# KiCad board panel_4_3.kicad_pcb
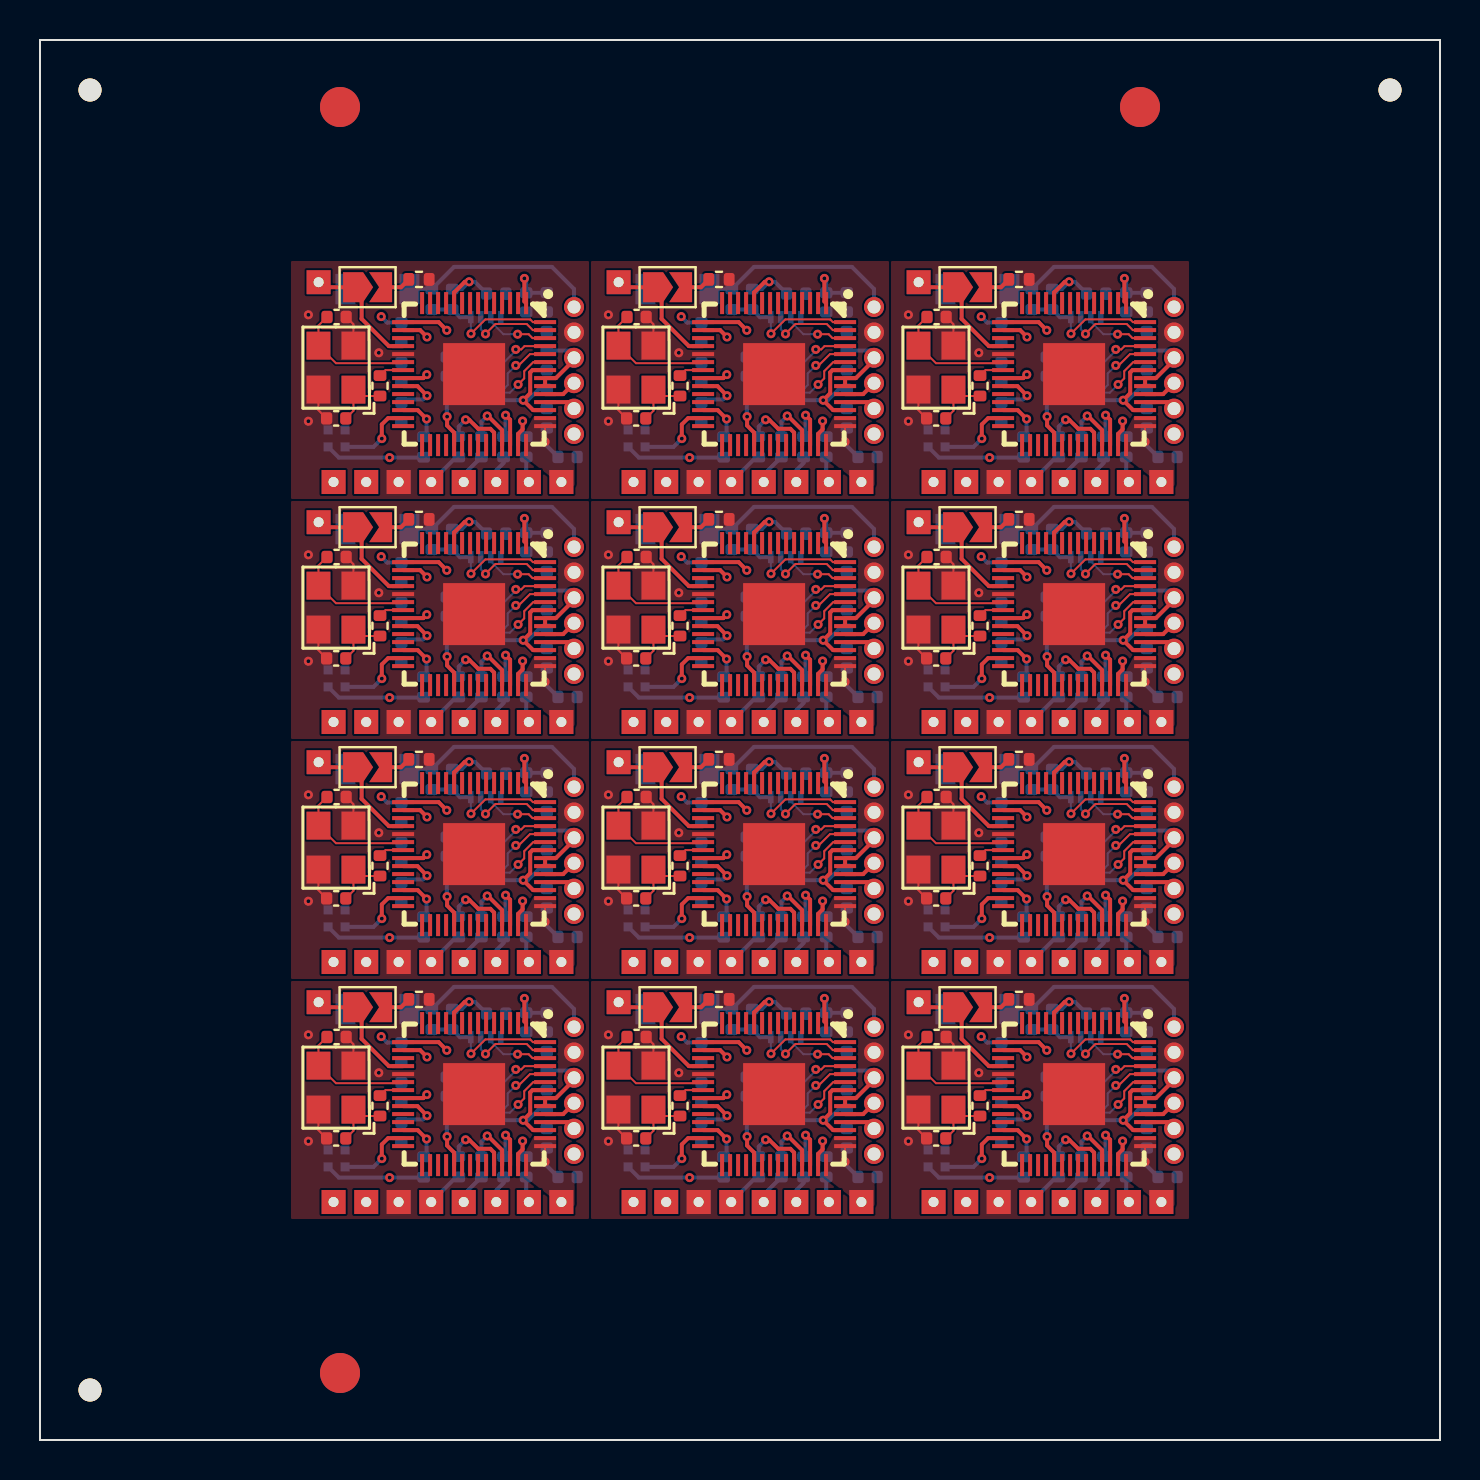
[diagram p0: board, top side]
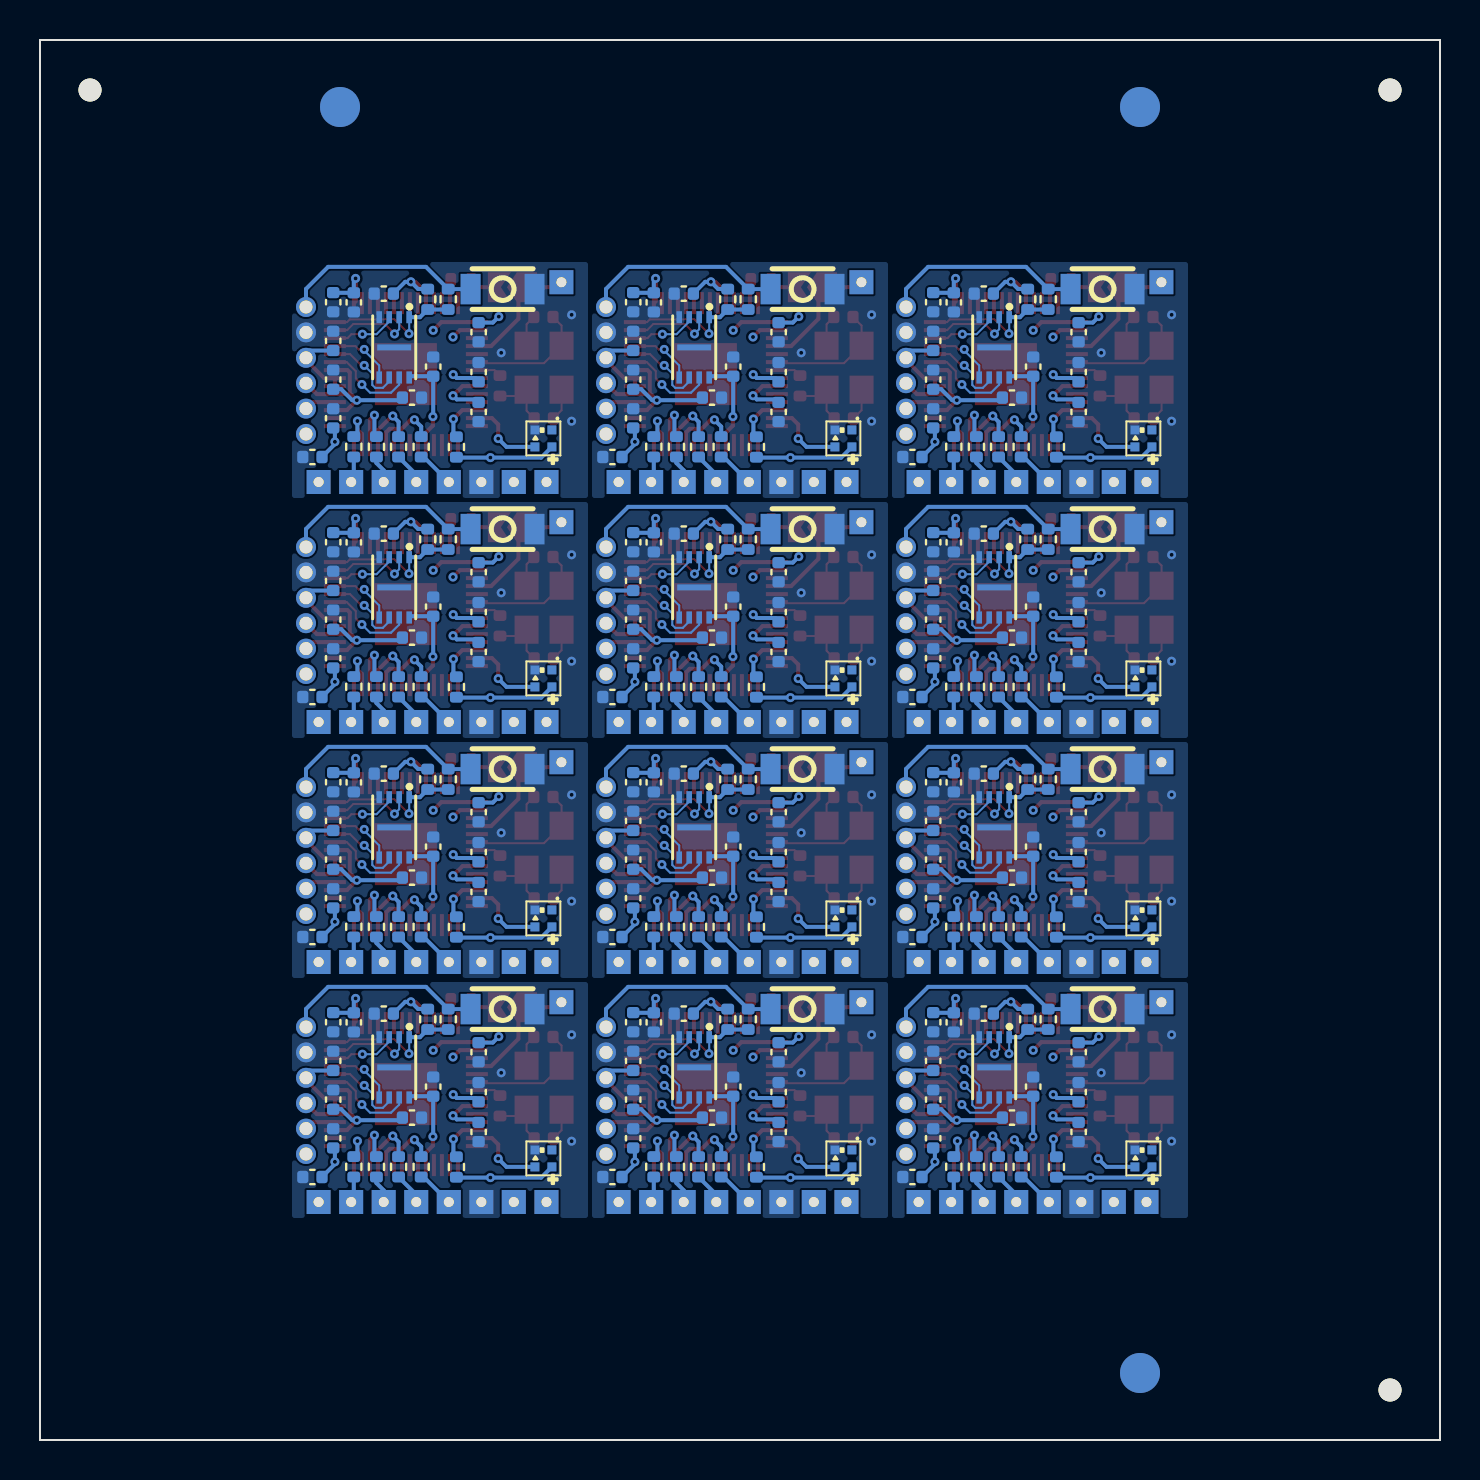
[diagram p1: board, bottom side, seen from below]

Outline 70 x 70 mm; copper layers: Top, In1.Cu, In2.Cu, Bottom. Coordinates in mm from the lower left corner of the outline.
Outline path: 0,70 0,0 70,0 70,70 0,70
Stack: Top 0.035mm / dielectric 0.48mm FR4 er 4.5 / In1.Cu 0.035mm / dielectric 0.48mm FR4 er 4.5 / In2.Cu 0.035mm / dielectric 0.48mm FR4 er 4.5 / Bottom 0.035mm

## Placement (name value [footprint] x y rotation side)
C1  27pF,50V,C0G  [C_0402_1005Metric]  44.81 39.08 0 top
C1#2  27pF,50V,C0G  [C_0402_1005Metric]  14.81 27.08 0 top
C1#3  27pF,50V,C0G  [C_0402_1005Metric]  44.81 27.08 0 top
C1#4  27pF,50V,C0G  [C_0402_1005Metric]  14.81 15.08 0 top
C1#5  27pF,50V,C0G  [C_0402_1005Metric]  29.81 15.08 0 top
C1#6  27pF,50V,C0G  [C_0402_1005Metric]  29.81 51.08 0 top
C1#7  27pF,50V,C0G  [C_0402_1005Metric]  29.81 27.08 0 top
C1#8  27pF,50V,C0G  [C_0402_1005Metric]  44.81 15.08 0 top
C1#9  27pF,50V,C0G  [C_0402_1005Metric]  14.81 51.08 0 top
C1#10  27pF,50V,C0G  [C_0402_1005Metric]  29.81 39.08 0 top
C1#11  27pF,50V,C0G  [C_0402_1005Metric]  14.81 39.08 0 top
C1#12  27pF,50V,C0G  [C_0402_1005Metric]  44.81 51.08 0 top
C2  100nF,16V,X7R  [C_0402_1005Metric]  36.4 28.12 180 bottom
C2#2  100nF,16V,X7R  [C_0402_1005Metric]  21.4 16.12 180 bottom
C2#3  100nF,16V,X7R  [C_0402_1005Metric]  21.4 40.12 180 bottom
C2#4  100nF,16V,X7R  [C_0402_1005Metric]  51.4 28.12 180 bottom
C2#5  100nF,16V,X7R  [C_0402_1005Metric]  36.4 40.12 180 bottom
C2#6  100nF,16V,X7R  [C_0402_1005Metric]  51.4 52.12 180 bottom
C2#7  100nF,16V,X7R  [C_0402_1005Metric]  21.4 28.12 180 bottom
C2#8  100nF,16V,X7R  [C_0402_1005Metric]  36.4 16.12 180 bottom
C2#9  100nF,16V,X7R  [C_0402_1005Metric]  21.4 52.12 180 bottom
C2#10  100nF,16V,X7R  [C_0402_1005Metric]  36.4 52.12 180 bottom
C2#11  100nF,16V,X7R  [C_0402_1005Metric]  51.4 40.12 180 bottom
C2#12  100nF,16V,X7R  [C_0402_1005Metric]  51.4 16.12 180 bottom
C3  27pF,50V,C0G  [C_0402_1005Metric]  44.83 32.15 0 top
C3#2  27pF,50V,C0G  [C_0402_1005Metric]  14.83 44.15 0 top
C3#3  27pF,50V,C0G  [C_0402_1005Metric]  29.83 20.15 0 top
C3#4  27pF,50V,C0G  [C_0402_1005Metric]  44.83 20.15 0 top
C3#5  27pF,50V,C0G  [C_0402_1005Metric]  44.83 44.15 0 top
C3#6  27pF,50V,C0G  [C_0402_1005Metric]  29.83 44.15 0 top
C3#7  27pF,50V,C0G  [C_0402_1005Metric]  14.83 20.15 0 top
C3#8  27pF,50V,C0G  [C_0402_1005Metric]  29.83 56.15 0 top
C3#9  27pF,50V,C0G  [C_0402_1005Metric]  29.83 32.15 0 top
C3#10  27pF,50V,C0G  [C_0402_1005Metric]  44.83 56.15 0 top
C3#11  27pF,50V,C0G  [C_0402_1005Metric]  14.83 32.15 0 top
C3#12  27pF,50V,C0G  [C_0402_1005Metric]  14.83 56.15 0 top
C4  100nF,16V,X7R  [C_0402_1005Metric]  33.07 27.4 270 bottom
C4#2  100nF,16V,X7R  [C_0402_1005Metric]  33.07 39.4 270 bottom
C4#3  100nF,16V,X7R  [C_0402_1005Metric]  18.07 39.4 270 bottom
C4#4  100nF,16V,X7R  [C_0402_1005Metric]  18.07 51.4 270 bottom
C4#5  100nF,16V,X7R  [C_0402_1005Metric]  33.07 51.4 270 bottom
C4#6  100nF,16V,X7R  [C_0402_1005Metric]  48.07 51.4 270 bottom
C4#7  100nF,16V,X7R  [C_0402_1005Metric]  48.07 15.4 270 bottom
C4#8  100nF,16V,X7R  [C_0402_1005Metric]  48.07 39.4 270 bottom
C4#9  100nF,16V,X7R  [C_0402_1005Metric]  48.07 27.4 270 bottom
C4#10  100nF,16V,X7R  [C_0402_1005Metric]  33.07 15.4 270 bottom
C4#11  100nF,16V,X7R  [C_0402_1005Metric]  18.07 15.4 270 bottom
C4#12  100nF,16V,X7R  [C_0402_1005Metric]  18.07 27.4 270 bottom
C5  1uF,25V,X5R  [C_0402_1005Metric]  55.34 41.02 90 bottom
C5#2  1uF,25V,X5R  [C_0402_1005Metric]  40.34 53.02 90 bottom
C5#3  1uF,25V,X5R  [C_0402_1005Metric]  55.34 29.02 90 bottom
C5#4  1uF,25V,X5R  [C_0402_1005Metric]  40.34 29.02 90 bottom
C5#5  1uF,25V,X5R  [C_0402_1005Metric]  25.34 53.02 90 bottom
C5#6  1uF,25V,X5R  [C_0402_1005Metric]  55.34 53.02 90 bottom
C5#7  1uF,25V,X5R  [C_0402_1005Metric]  55.34 17.02 90 bottom
C5#8  1uF,25V,X5R  [C_0402_1005Metric]  40.34 17.02 90 bottom
C5#9  1uF,25V,X5R  [C_0402_1005Metric]  40.34 41.02 90 bottom
C5#10  1uF,25V,X5R  [C_0402_1005Metric]  25.34 41.02 90 bottom
C5#11  1uF,25V,X5R  [C_0402_1005Metric]  25.34 17.02 90 bottom
C5#12  1uF,25V,X5R  [C_0402_1005Metric]  25.34 29.02 90 bottom
C6  1uF,25V,X5R  [C_0402_1005Metric]  56.38 13.15 180 bottom
C6#2  1uF,25V,X5R  [C_0402_1005Metric]  56.38 49.15 180 bottom
C6#3  1uF,25V,X5R  [C_0402_1005Metric]  26.38 49.15 180 bottom
C6#4  1uF,25V,X5R  [C_0402_1005Metric]  41.38 13.15 180 bottom
C6#5  1uF,25V,X5R  [C_0402_1005Metric]  41.38 25.15 180 bottom
C6#6  1uF,25V,X5R  [C_0402_1005Metric]  41.38 37.15 180 bottom
C6#7  1uF,25V,X5R  [C_0402_1005Metric]  56.38 37.15 180 bottom
C6#8  1uF,25V,X5R  [C_0402_1005Metric]  26.38 13.15 180 bottom
C6#9  1uF,25V,X5R  [C_0402_1005Metric]  56.38 25.15 180 bottom
C6#10  1uF,25V,X5R  [C_0402_1005Metric]  26.38 25.15 180 bottom
C6#11  1uF,25V,X5R  [C_0402_1005Metric]  26.38 37.15 180 bottom
C6#12  1uF,25V,X5R  [C_0402_1005Metric]  41.38 49.15 180 bottom
C7  100nF,16V,X7R  [C_0402_1005Metric]  48.07 29.4 90 bottom
C7#2  100nF,16V,X7R  [C_0402_1005Metric]  33.07 53.4 90 bottom
C7#3  100nF,16V,X7R  [C_0402_1005Metric]  33.07 41.4 90 bottom
C7#4  100nF,16V,X7R  [C_0402_1005Metric]  18.07 53.4 90 bottom
C7#5  100nF,16V,X7R  [C_0402_1005Metric]  48.07 41.4 90 bottom
C7#6  100nF,16V,X7R  [C_0402_1005Metric]  48.07 17.39 90 bottom
C7#7  100nF,16V,X7R  [C_0402_1005Metric]  33.07 17.39 90 bottom
C7#8  100nF,16V,X7R  [C_0402_1005Metric]  18.07 41.4 90 bottom
C7#9  100nF,16V,X7R  [C_0402_1005Metric]  33.07 29.4 90 bottom
C7#10  100nF,16V,X7R  [C_0402_1005Metric]  48.07 53.4 90 bottom
C7#11  100nF,16V,X7R  [C_0402_1005Metric]  18.07 29.4 90 bottom
C7#12  100nF,16V,X7R  [C_0402_1005Metric]  18.07 17.39 90 bottom
C8  100nF,16V,X7R  [C_0402_1005Metric]  55.34 39.09 90 bottom
C8#2  100nF,16V,X7R  [C_0402_1005Metric]  55.34 15.08 90 bottom
C8#3  100nF,16V,X7R  [C_0402_1005Metric]  55.34 27.09 90 bottom
C8#4  100nF,16V,X7R  [C_0402_1005Metric]  25.34 15.08 90 bottom
C8#5  100nF,16V,X7R  [C_0402_1005Metric]  55.34 51.09 90 bottom
C8#6  100nF,16V,X7R  [C_0402_1005Metric]  40.34 39.09 90 bottom
C8#7  100nF,16V,X7R  [C_0402_1005Metric]  25.34 27.09 90 bottom
C8#8  100nF,16V,X7R  [C_0402_1005Metric]  40.34 15.08 90 bottom
C8#9  100nF,16V,X7R  [C_0402_1005Metric]  40.34 27.09 90 bottom
C8#10  100nF,16V,X7R  [C_0402_1005Metric]  25.34 51.09 90 bottom
C8#11  100nF,16V,X7R  [C_0402_1005Metric]  25.34 39.09 90 bottom
C8#12  100nF,16V,X7R  [C_0402_1005Metric]  40.34 51.09 90 bottom
C9  100nF,16V,X7R  [C_0402_1005Metric]  54.31 56.88 270 bottom
C9#2  100nF,16V,X7R  [C_0402_1005Metric]  24.31 20.88 270 bottom
C9#3  100nF,16V,X7R  [C_0402_1005Metric]  24.31 32.88 270 bottom
C9#4  100nF,16V,X7R  [C_0402_1005Metric]  39.31 56.88 270 bottom
C9#5  100nF,16V,X7R  [C_0402_1005Metric]  54.31 44.88 270 bottom
C9#6  100nF,16V,X7R  [C_0402_1005Metric]  39.31 32.88 270 bottom
C9#7  100nF,16V,X7R  [C_0402_1005Metric]  39.31 20.88 270 bottom
C9#8  100nF,16V,X7R  [C_0402_1005Metric]  24.31 44.88 270 bottom
C9#9  100nF,16V,X7R  [C_0402_1005Metric]  24.31 56.88 270 bottom
C9#10  100nF,16V,X7R  [C_0402_1005Metric]  54.31 20.88 270 bottom
C9#11  100nF,16V,X7R  [C_0402_1005Metric]  39.31 44.88 270 bottom
C9#12  100nF,16V,X7R  [C_0402_1005Metric]  54.31 32.88 270 bottom
C10  100nF,16V,X7R  [C_0402_1005Metric]  40.34 30.95 90 bottom
C10#2  100nF,16V,X7R  [C_0402_1005Metric]  25.34 42.95 90 bottom
C10#3  100nF,16V,X7R  [C_0402_1005Metric]  40.34 54.95 90 bottom
C10#4  100nF,16V,X7R  [C_0402_1005Metric]  55.34 42.95 90 bottom
C10#5  100nF,16V,X7R  [C_0402_1005Metric]  55.34 54.95 90 bottom
C10#6  100nF,16V,X7R  [C_0402_1005Metric]  55.34 30.95 90 bottom
C10#7  100nF,16V,X7R  [C_0402_1005Metric]  25.34 18.95 90 bottom
C10#8  100nF,16V,X7R  [C_0402_1005Metric]  25.34 30.95 90 bottom
C10#9  100nF,16V,X7R  [C_0402_1005Metric]  40.34 18.95 90 bottom
C10#10  100nF,16V,X7R  [C_0402_1005Metric]  55.34 18.95 90 bottom
C10#11  100nF,16V,X7R  [C_0402_1005Metric]  40.34 42.95 90 bottom
C10#12  100nF,16V,X7R  [C_0402_1005Metric]  25.34 54.95 90 bottom
C11  100nF,16V,X7R  [C_0402_1005Metric]  55.34 44.89 270 bottom
C11#2  100nF,16V,X7R  [C_0402_1005Metric]  55.34 20.89 270 bottom
C11#3  100nF,16V,X7R  [C_0402_1005Metric]  25.34 56.89 270 bottom
C11#4  100nF,16V,X7R  [C_0402_1005Metric]  55.34 56.89 270 bottom
C11#5  100nF,16V,X7R  [C_0402_1005Metric]  25.34 32.89 270 bottom
C11#6  100nF,16V,X7R  [C_0402_1005Metric]  40.34 56.89 270 bottom
C11#7  100nF,16V,X7R  [C_0402_1005Metric]  25.34 20.89 270 bottom
C11#8  100nF,16V,X7R  [C_0402_1005Metric]  40.34 32.89 270 bottom
C11#9  100nF,16V,X7R  [C_0402_1005Metric]  55.34 32.89 270 bottom
C11#10  100nF,16V,X7R  [C_0402_1005Metric]  40.34 20.89 270 bottom
C11#11  100nF,16V,X7R  [C_0402_1005Metric]  25.34 44.89 270 bottom
C11#12  100nF,16V,X7R  [C_0402_1005Metric]  40.34 44.89 270 bottom
C12  100nF,16V,X7R  [C_0402_1005Metric]  22.81 45.32 0 bottom
C12#2  100nF,16V,X7R  [C_0402_1005Metric]  52.81 33.32 0 bottom
C12#3  100nF,16V,X7R  [C_0402_1005Metric]  22.81 21.32 0 bottom
C12#4  100nF,16V,X7R  [C_0402_1005Metric]  37.81 33.32 0 bottom
C12#5  100nF,16V,X7R  [C_0402_1005Metric]  52.81 45.32 0 bottom
C12#6  100nF,16V,X7R  [C_0402_1005Metric]  37.81 57.32 0 bottom
C12#7  100nF,16V,X7R  [C_0402_1005Metric]  52.81 57.32 0 bottom
C12#8  100nF,16V,X7R  [C_0402_1005Metric]  22.81 33.32 0 bottom
C12#9  100nF,16V,X7R  [C_0402_1005Metric]  52.81 21.32 0 bottom
C12#10  100nF,16V,X7R  [C_0402_1005Metric]  37.81 21.32 0 bottom
C12#11  100nF,16V,X7R  [C_0402_1005Metric]  37.81 45.32 0 bottom
C12#12  100nF,16V,X7R  [C_0402_1005Metric]  22.81 57.32 0 bottom
C13  100nF,16V,X7R  [C_0402_1005Metric]  48.07 43.39 270 bottom
C13#2  100nF,16V,X7R  [C_0402_1005Metric]  18.07 55.39 270 bottom
C13#3  100nF,16V,X7R  [C_0402_1005Metric]  18.07 43.39 270 bottom
C13#4  100nF,16V,X7R  [C_0402_1005Metric]  48.07 55.39 270 bottom
C13#5  100nF,16V,X7R  [C_0402_1005Metric]  48.07 31.39 270 bottom
C13#6  100nF,16V,X7R  [C_0402_1005Metric]  33.07 19.39 270 bottom
C13#7  100nF,16V,X7R  [C_0402_1005Metric]  18.07 31.39 270 bottom
C13#8  100nF,16V,X7R  [C_0402_1005Metric]  33.07 43.39 270 bottom
C13#9  100nF,16V,X7R  [C_0402_1005Metric]  33.07 31.39 270 bottom
C13#10  100nF,16V,X7R  [C_0402_1005Metric]  33.07 55.39 270 bottom
C13#11  100nF,16V,X7R  [C_0402_1005Metric]  18.07 19.39 270 bottom
C13#12  100nF,16V,X7R  [C_0402_1005Metric]  48.07 19.39 270 bottom
C14  100nF,16V,X7R  [C_0402_1005Metric]  20.34 29.67 90 bottom
C14#2  100nF,16V,X7R  [C_0402_1005Metric]  50.34 53.67 90 bottom
C14#3  100nF,16V,X7R  [C_0402_1005Metric]  20.34 17.67 90 bottom
C14#4  100nF,16V,X7R  [C_0402_1005Metric]  20.34 41.67 90 bottom
C14#5  100nF,16V,X7R  [C_0402_1005Metric]  35.34 41.67 90 bottom
C14#6  100nF,16V,X7R  [C_0402_1005Metric]  20.34 53.67 90 bottom
C14#7  100nF,16V,X7R  [C_0402_1005Metric]  35.34 29.67 90 bottom
C14#8  100nF,16V,X7R  [C_0402_1005Metric]  50.34 17.67 90 bottom
C14#9  100nF,16V,X7R  [C_0402_1005Metric]  50.34 41.67 90 bottom
C14#10  100nF,16V,X7R  [C_0402_1005Metric]  50.34 29.67 90 bottom
C14#11  100nF,16V,X7R  [C_0402_1005Metric]  35.34 17.67 90 bottom
C14#12  100nF,16V,X7R  [C_0402_1005Metric]  35.34 53.67 90 bottom
J1  Conn_01x01  [TH_Pads_1x1_P1.20mml]  13.93 57.89 90 top
J1#2  Conn_01x01  [TH_Pads_1x1_P1.20mml]  13.93 21.89 90 top
J1#3  Conn_01x01  [TH_Pads_1x1_P1.20mml]  13.93 45.89 90 top
J1#4  Conn_01x01  [TH_Pads_1x1_P1.20mml]  43.93 33.89 90 top
J1#5  Conn_01x01  [TH_Pads_1x1_P1.20mml]  43.93 45.89 90 top
J1#6  Conn_01x01  [TH_Pads_1x1_P1.20mml]  13.93 33.89 90 top
J1#7  Conn_01x01  [TH_Pads_1x1_P1.20mml]  43.93 57.89 90 top
J1#8  Conn_01x01  [TH_Pads_1x1_P1.20mml]  28.93 33.89 90 top
J1#9  Conn_01x01  [TH_Pads_1x1_P1.20mml]  28.93 57.89 90 top
J1#10  Conn_01x01  [TH_Pads_1x1_P1.20mml]  43.93 21.89 90 top
J1#11  Conn_01x01  [TH_Pads_1x1_P1.20mml]  28.93 21.89 90 top
J1#12  Conn_01x01  [TH_Pads_1x1_P1.20mml]  28.93 45.89 90 top
J2  Conn_01x01  [TH_Pads_1x1_P1.20mml]  19.56 35.9 90 top
J2#2  Conn_01x01  [TH_Pads_1x1_P1.20mml]  49.56 35.9 90 top
J2#3  Conn_01x01  [TH_Pads_1x1_P1.20mml]  34.56 47.9 90 top
J2#4  Conn_01x01  [TH_Pads_1x1_P1.20mml]  34.56 11.9 90 top
J2#5  Conn_01x01  [TH_Pads_1x1_P1.20mml]  49.56 47.9 90 top
J2#6  Conn_01x01  [TH_Pads_1x1_P1.20mml]  34.56 23.9 90 top
J2#7  Conn_01x01  [TH_Pads_1x1_P1.20mml]  19.56 11.9 90 top
J2#8  Conn_01x01  [TH_Pads_1x1_P1.20mml]  49.56 23.9 90 top
J2#9  Conn_01x01  [TH_Pads_1x1_P1.20mml]  19.56 47.9 90 top
J2#10  Conn_01x01  [TH_Pads_1x1_P1.20mml]  34.56 35.9 90 top
J2#11  Conn_01x01  [TH_Pads_1x1_P1.20mml]  19.56 23.9 90 top
J2#12  Conn_01x01  [TH_Pads_1x1_P1.20mml]  49.56 11.9 90 top
J3  Conn_01x01  [TH_Pads_1x1_P1.20mml]  51.19 23.9 90 top
J3#2  Conn_01x01  [TH_Pads_1x1_P1.20mml]  36.19 35.9 90 top
J3#3  Conn_01x01  [TH_Pads_1x1_P1.20mml]  21.19 11.9 90 top
J3#4  Conn_01x01  [TH_Pads_1x1_P1.20mml]  36.19 23.9 90 top
J3#5  Conn_01x01  [TH_Pads_1x1_P1.20mml]  36.19 11.9 90 top
J3#6  Conn_01x01  [TH_Pads_1x1_P1.20mml]  36.19 47.9 90 top
J3#7  Conn_01x01  [TH_Pads_1x1_P1.20mml]  51.19 11.9 90 top
J3#8  Conn_01x01  [TH_Pads_1x1_P1.20mml]  21.19 47.9 90 top
J3#9  Conn_01x01  [TH_Pads_1x1_P1.20mml]  21.19 23.9 90 top
J3#10  Conn_01x01  [TH_Pads_1x1_P1.20mml]  51.19 35.9 90 top
J3#11  Conn_01x01  [TH_Pads_1x1_P1.20mml]  51.19 47.9 90 top
J3#12  Conn_01x01  [TH_Pads_1x1_P1.20mml]  21.19 35.9 90 top
J4  Conn_01x01  [TH_Pads_1x1_P1.20mml]  37.81 11.9 90 top
J4#2  Conn_01x01  [TH_Pads_1x1_P1.20mml]  37.81 35.9 90 top
J4#3  Conn_01x01  [TH_Pads_1x1_P1.20mml]  37.81 47.9 90 top
J4#4  Conn_01x01  [TH_Pads_1x1_P1.20mml]  52.81 35.9 90 top
J4#5  Conn_01x01  [TH_Pads_1x1_P1.20mml]  22.81 47.9 90 top
J4#6  Conn_01x01  [TH_Pads_1x1_P1.20mml]  52.81 23.9 90 top
J4#7  Conn_01x01  [TH_Pads_1x1_P1.20mml]  22.81 11.9 90 top
J4#8  Conn_01x01  [TH_Pads_1x1_P1.20mml]  22.81 35.9 90 top
J4#9  Conn_01x01  [TH_Pads_1x1_P1.20mml]  37.81 23.9 90 top
J4#10  Conn_01x01  [TH_Pads_1x1_P1.20mml]  22.81 23.9 90 top
J4#11  Conn_01x01  [TH_Pads_1x1_P1.20mml]  52.81 11.9 90 top
J4#12  Conn_01x01  [TH_Pads_1x1_P1.20mml]  52.81 47.9 90 top
J5  Conn_01x01  [TH_Pads_1x1_P1.20mml]  39.44 23.9 0 top
J5#2  Conn_01x01  [TH_Pads_1x1_P1.20mml]  39.44 11.9 0 top
J5#3  Conn_01x01  [TH_Pads_1x1_P1.20mml]  54.44 35.9 0 top
J5#4  Conn_01x01  [TH_Pads_1x1_P1.20mml]  39.44 35.9 0 top
J5#5  Conn_01x01  [TH_Pads_1x1_P1.20mml]  24.44 47.9 0 top
J5#6  Conn_01x01  [TH_Pads_1x1_P1.20mml]  54.44 47.9 0 top
J5#7  Conn_01x01  [TH_Pads_1x1_P1.20mml]  54.44 11.9 0 top
J5#8  Conn_01x01  [TH_Pads_1x1_P1.20mml]  24.44 11.9 0 top
J5#9  Conn_01x01  [TH_Pads_1x1_P1.20mml]  24.44 35.9 0 top
J5#10  Conn_01x01  [TH_Pads_1x1_P1.20mml]  39.44 47.9 0 top
J5#11  Conn_01x01  [TH_Pads_1x1_P1.20mml]  24.44 23.9 0 top
J5#12  Conn_01x01  [TH_Pads_1x1_P1.20mml]  54.44 23.9 0 top
J6  Conn_01x01  [TH_Pads_1x1_P1.20mml]  31.31 47.9 270 top
J6#2  Conn_01x01  [TH_Pads_1x1_P1.20mml]  46.31 23.9 270 top
J6#3  Conn_01x01  [TH_Pads_1x1_P1.20mml]  16.31 35.9 270 top
J6#4  Conn_01x01  [TH_Pads_1x1_P1.20mml]  16.31 11.9 270 top
J6#5  Conn_01x01  [TH_Pads_1x1_P1.20mml]  31.31 35.9 270 top
J6#6  Conn_01x01  [TH_Pads_1x1_P1.20mml]  31.31 11.9 270 top
J6#7  Conn_01x01  [TH_Pads_1x1_P1.20mml]  31.31 23.9 270 top
J6#8  Conn_01x01  [TH_Pads_1x1_P1.20mml]  16.31 23.9 270 top
J6#9  Conn_01x01  [TH_Pads_1x1_P1.20mml]  46.31 47.9 270 top
J6#10  Conn_01x01  [TH_Pads_1x1_P1.20mml]  46.31 11.9 270 top
J6#11  Conn_01x01  [TH_Pads_1x1_P1.20mml]  16.31 47.9 270 top
J6#12  Conn_01x01  [TH_Pads_1x1_P1.20mml]  46.31 35.9 270 top
J7  Conn_01x01  [TH_Pads_1x1_P1.20mml]  29.68 23.9 0 top
J7#2  Conn_01x01  [TH_Pads_1x1_P1.20mml]  29.68 35.9 0 top
J7#3  Conn_01x01  [TH_Pads_1x1_P1.20mml]  14.68 35.9 0 top
J7#4  Conn_01x01  [TH_Pads_1x1_P1.20mml]  44.68 11.9 0 top
J7#5  Conn_01x01  [TH_Pads_1x1_P1.20mml]  14.68 47.9 0 top
J7#6  Conn_01x01  [TH_Pads_1x1_P1.20mml]  14.68 11.9 0 top
J7#7  Conn_01x01  [TH_Pads_1x1_P1.20mml]  44.68 23.9 0 top
J7#8  Conn_01x01  [TH_Pads_1x1_P1.20mml]  14.68 23.9 0 top
J7#9  Conn_01x01  [TH_Pads_1x1_P1.20mml]  29.68 47.9 0 top
J7#10  Conn_01x01  [TH_Pads_1x1_P1.20mml]  29.68 11.9 0 top
J7#11  Conn_01x01  [TH_Pads_1x1_P1.20mml]  44.68 35.9 0 top
J7#12  Conn_01x01  [TH_Pads_1x1_P1.20mml]  44.68 47.9 0 top
J8  Conn_01x06  [ProgPins_1x06_P1.27mm]  41.7 14.3 180 top
J8#2  Conn_01x06  [ProgPins_1x06_P1.27mm]  26.7 38.3 180 top
J8#3  Conn_01x06  [ProgPins_1x06_P1.27mm]  41.7 26.3 180 top
J8#4  Conn_01x06  [ProgPins_1x06_P1.27mm]  26.7 26.3 180 top
J8#5  Conn_01x06  [ProgPins_1x06_P1.27mm]  26.7 14.3 180 top
J8#6  Conn_01x06  [ProgPins_1x06_P1.27mm]  41.7 50.3 180 top
J8#7  Conn_01x06  [ProgPins_1x06_P1.27mm]  56.7 26.3 180 top
J8#8  Conn_01x06  [ProgPins_1x06_P1.27mm]  56.7 50.3 180 top
J8#9  Conn_01x06  [ProgPins_1x06_P1.27mm]  56.7 38.3 180 top
J8#10  Conn_01x06  [ProgPins_1x06_P1.27mm]  26.7 50.3 180 top
J8#11  Conn_01x06  [ProgPins_1x06_P1.27mm]  56.7 14.3 180 top
J8#12  Conn_01x06  [ProgPins_1x06_P1.27mm]  41.7 38.3 180 top
J9  Conn_01x01  [TH_Pads_1x1_P1.20mml]  47.93 47.9 0 top
J9#2  Conn_01x01  [TH_Pads_1x1_P1.20mml]  47.93 35.9 0 top
J9#3  Conn_01x01  [TH_Pads_1x1_P1.20mml]  17.93 11.9 0 top
J9#4  Conn_01x01  [TH_Pads_1x1_P1.20mml]  17.93 47.9 0 top
J9#5  Conn_01x01  [TH_Pads_1x1_P1.20mml]  32.93 47.9 0 top
J9#6  Conn_01x01  [TH_Pads_1x1_P1.20mml]  17.93 35.9 0 top
J9#7  Conn_01x01  [TH_Pads_1x1_P1.20mml]  47.93 11.9 0 top
J9#8  Conn_01x01  [TH_Pads_1x1_P1.20mml]  32.93 11.9 0 top
J9#9  Conn_01x01  [TH_Pads_1x1_P1.20mml]  32.93 35.9 0 top
J9#10  Conn_01x01  [TH_Pads_1x1_P1.20mml]  32.93 23.9 0 top
J9#11  Conn_01x01  [TH_Pads_1x1_P1.20mml]  47.93 23.9 0 top
J9#12  Conn_01x01  [TH_Pads_1x1_P1.20mml]  17.93 23.9 0 top
J10  Conn_01x01  [TH_Pads_1x1_P1.20mml]  56.07 47.9 0 top
J10#2  Conn_01x01  [TH_Pads_1x1_P1.20mml]  26.07 47.9 0 top
J10#3  Conn_01x01  [TH_Pads_1x1_P1.20mml]  56.07 23.9 0 top
J10#4  Conn_01x01  [TH_Pads_1x1_P1.20mml]  26.07 11.9 0 top
J10#5  Conn_01x01  [TH_Pads_1x1_P1.20mml]  56.07 35.9 0 top
J10#6  Conn_01x01  [TH_Pads_1x1_P1.20mml]  41.07 23.9 0 top
J10#7  Conn_01x01  [TH_Pads_1x1_P1.20mml]  41.07 11.9 0 top
J10#8  Conn_01x01  [TH_Pads_1x1_P1.20mml]  56.07 11.9 0 top
J10#9  Conn_01x01  [TH_Pads_1x1_P1.20mml]  26.07 35.9 0 top
J10#10  Conn_01x01  [TH_Pads_1x1_P1.20mml]  26.07 23.9 0 top
J10#11  Conn_01x01  [TH_Pads_1x1_P1.20mml]  41.07 47.9 0 top
J10#12  Conn_01x01  [TH_Pads_1x1_P1.20mml]  41.07 35.9 0 top
JP1  Jumper_2_Open  [SolderJumper-2_P1.3mm_Open_TrianglePad1.0x1.5mm_Sm]  46.38 45.64 0 top
JP1#2  Jumper_2_Open  [SolderJumper-2_P1.3mm_Open_TrianglePad1.0x1.5mm_Sm]  16.38 21.64 0 top
JP1#3  Jumper_2_Open  [SolderJumper-2_P1.3mm_Open_TrianglePad1.0x1.5mm_Sm]  46.38 21.64 0 top
JP1#4  Jumper_2_Open  [SolderJumper-2_P1.3mm_Open_TrianglePad1.0x1.5mm_Sm]  46.38 33.64 0 top
JP1#5  Jumper_2_Open  [SolderJumper-2_P1.3mm_Open_TrianglePad1.0x1.5mm_Sm]  16.38 33.64 0 top
JP1#6  Jumper_2_Open  [SolderJumper-2_P1.3mm_Open_TrianglePad1.0x1.5mm_Sm]  31.38 33.64 0 top
JP1#7  Jumper_2_Open  [SolderJumper-2_P1.3mm_Open_TrianglePad1.0x1.5mm_Sm]  31.38 45.64 0 top
JP1#8  Jumper_2_Open  [SolderJumper-2_P1.3mm_Open_TrianglePad1.0x1.5mm_Sm]  16.38 45.64 0 top
JP1#9  Jumper_2_Open  [SolderJumper-2_P1.3mm_Open_TrianglePad1.0x1.5mm_Sm]  46.38 57.64 0 top
JP1#10  Jumper_2_Open  [SolderJumper-2_P1.3mm_Open_TrianglePad1.0x1.5mm_Sm]  16.38 57.64 0 top
JP1#11  Jumper_2_Open  [SolderJumper-2_P1.3mm_Open_TrianglePad1.0x1.5mm_Sm]  31.38 21.64 0 top
JP1#12  Jumper_2_Open  [SolderJumper-2_P1.3mm_Open_TrianglePad1.0x1.5mm_Sm]  31.38 57.64 0 top
R1  1k  [R_0402_1005Metric]  32 16.71 90 top
R1#2  1k  [R_0402_1005Metric]  32 52.71 90 top
R1#3  1k  [R_0402_1005Metric]  17 16.71 90 top
R1#4  1k  [R_0402_1005Metric]  17 40.71 90 top
R1#5  1k  [R_0402_1005Metric]  32 28.71 90 top
R1#6  1k  [R_0402_1005Metric]  47 16.71 90 top
R1#7  1k  [R_0402_1005Metric]  47 28.71 90 top
R1#8  1k  [R_0402_1005Metric]  47 52.71 90 top
R1#9  1k  [R_0402_1005Metric]  17 28.71 90 top
R1#10  1k  [R_0402_1005Metric]  17 52.71 90 top
R1#11  1k  [R_0402_1005Metric]  47 40.71 90 top
R1#12  1k  [R_0402_1005Metric]  32 40.71 90 top
R2  10k  [R_0402_1005Metric]  49.18 49.65 90 bottom
R2#2  10k  [R_0402_1005Metric]  49.18 13.65 90 bottom
R2#3  10k  [R_0402_1005Metric]  19.18 49.65 90 bottom
R2#4  10k  [R_0402_1005Metric]  34.18 37.65 90 bottom
R2#5  10k  [R_0402_1005Metric]  34.18 49.65 90 bottom
R2#6  10k  [R_0402_1005Metric]  34.18 13.65 90 bottom
R2#7  10k  [R_0402_1005Metric]  49.18 37.65 90 bottom
R2#8  10k  [R_0402_1005Metric]  49.18 25.65 90 bottom
R2#9  10k  [R_0402_1005Metric]  19.18 25.65 90 bottom
R2#10  10k  [R_0402_1005Metric]  19.18 37.65 90 bottom
R2#11  10k  [R_0402_1005Metric]  19.18 13.65 90 bottom
R2#12  10k  [R_0402_1005Metric]  34.18 25.65 90 bottom
R5  1k  [R_0402_1005Metric]  49.59 33.03 270 bottom
R5#2  1k  [R_0402_1005Metric]  49.59 45.03 270 bottom
R5#3  1k  [R_0402_1005Metric]  19.59 21.03 270 bottom
R5#4  1k  [R_0402_1005Metric]  49.59 21.03 270 bottom
R5#5  1k  [R_0402_1005Metric]  19.59 45.03 270 bottom
R5#6  1k  [R_0402_1005Metric]  34.59 57.03 270 bottom
R5#7  1k  [R_0402_1005Metric]  49.59 57.03 270 bottom
R5#8  1k  [R_0402_1005Metric]  34.59 33.03 270 bottom